# Altium PCB iMX6 Rex_V1I1_PCB.PcbDoc (part 1 of 8) (continued)
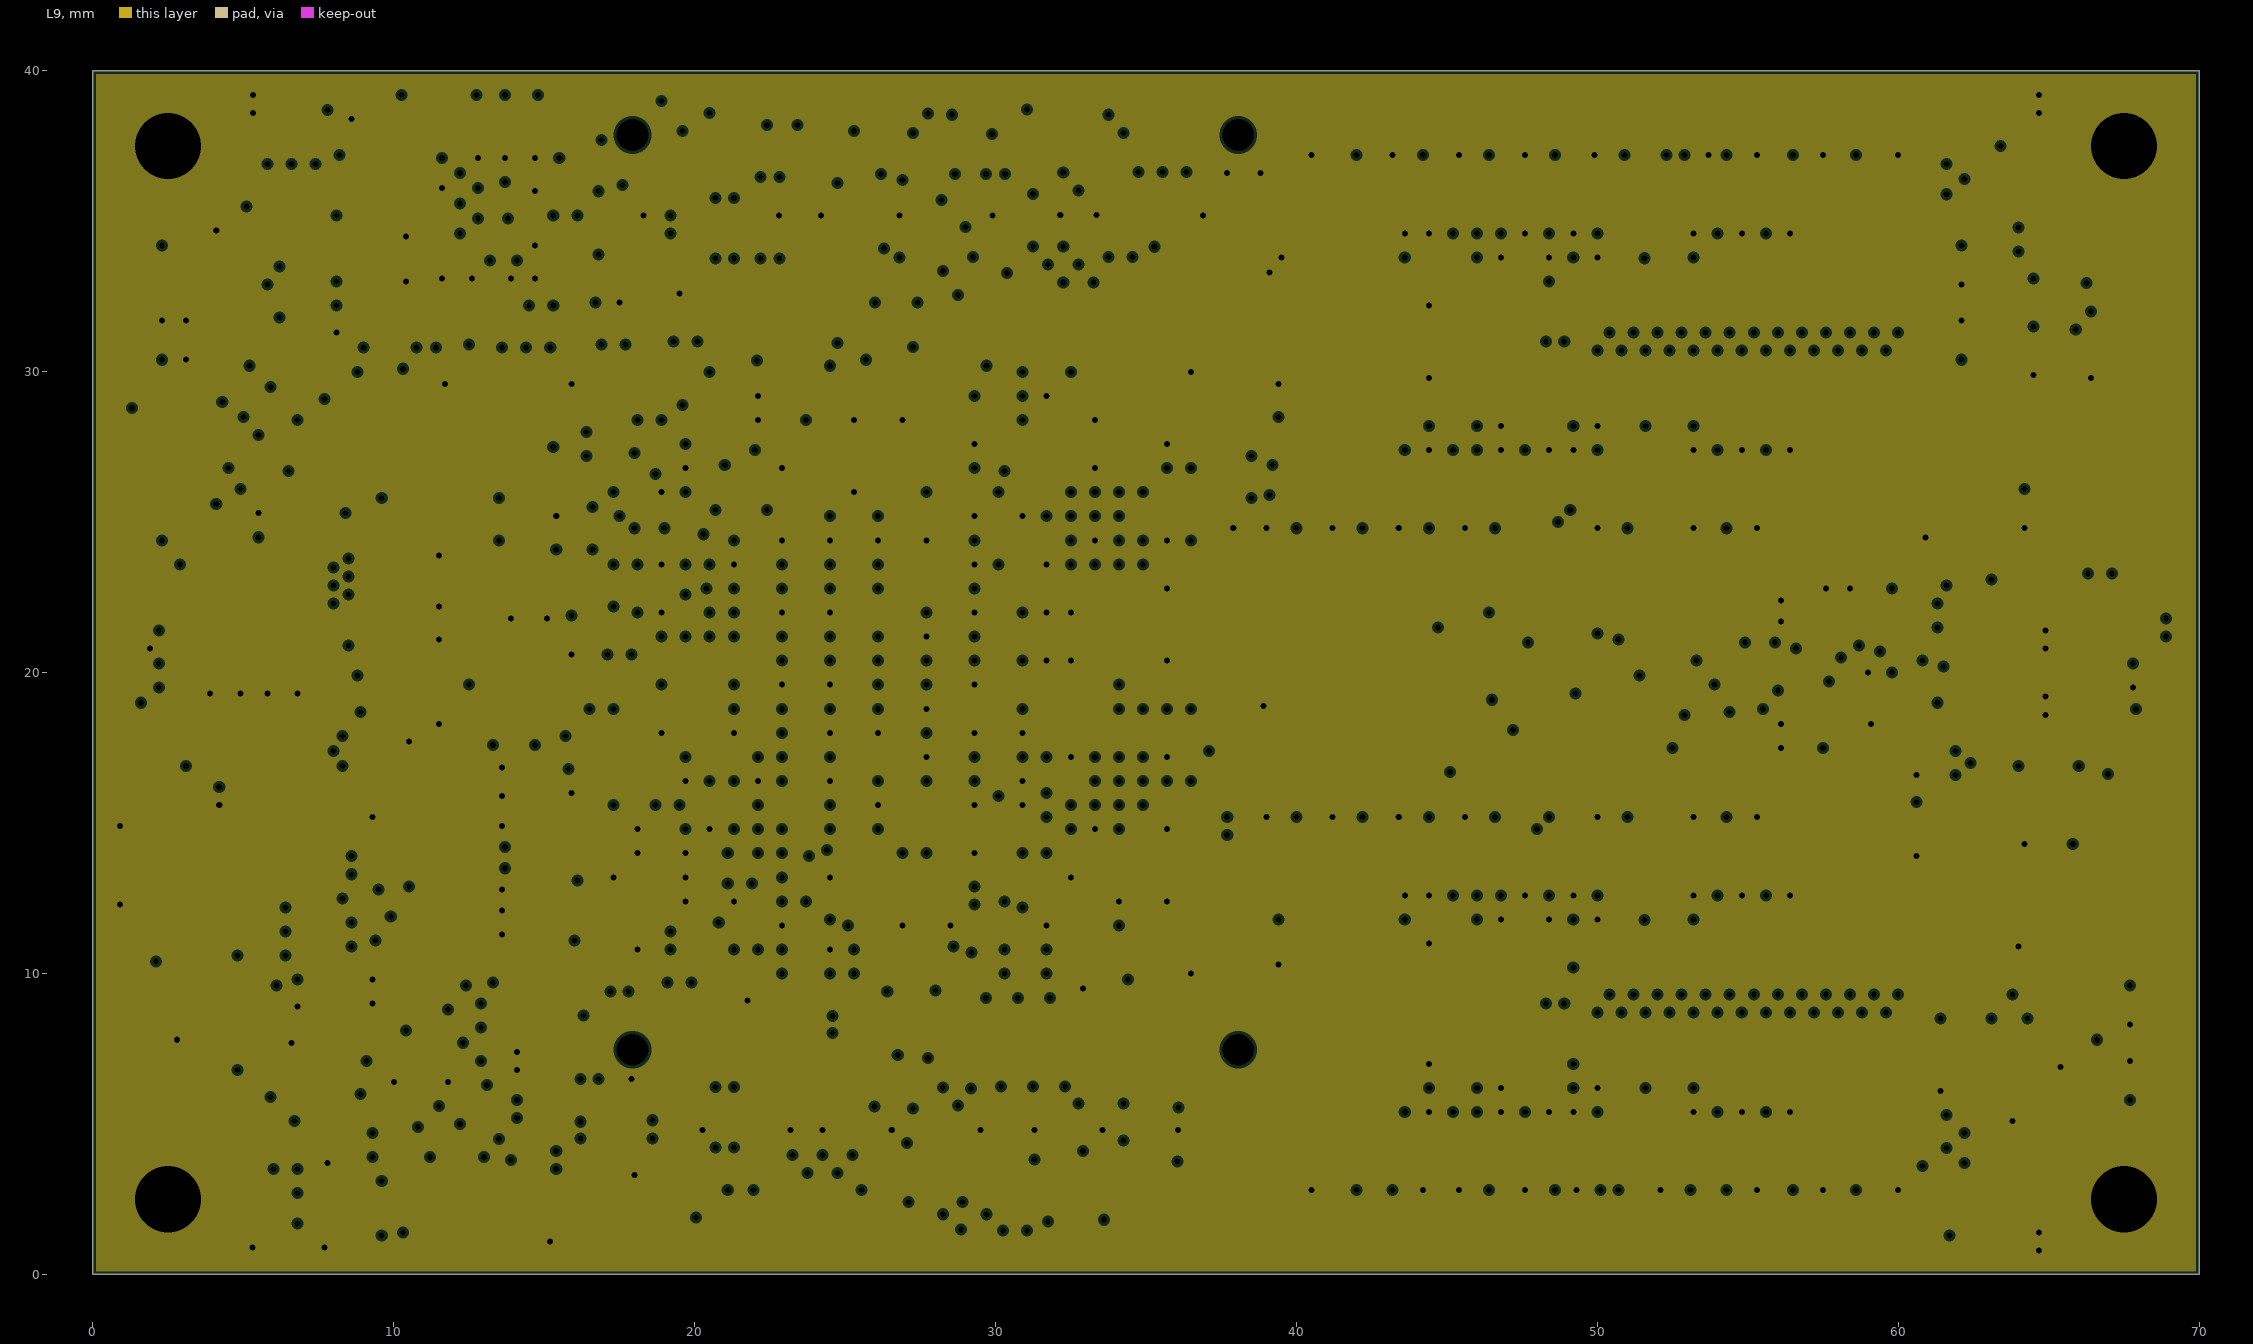
[diagram p9: L9, clearances drawn from the general rule]
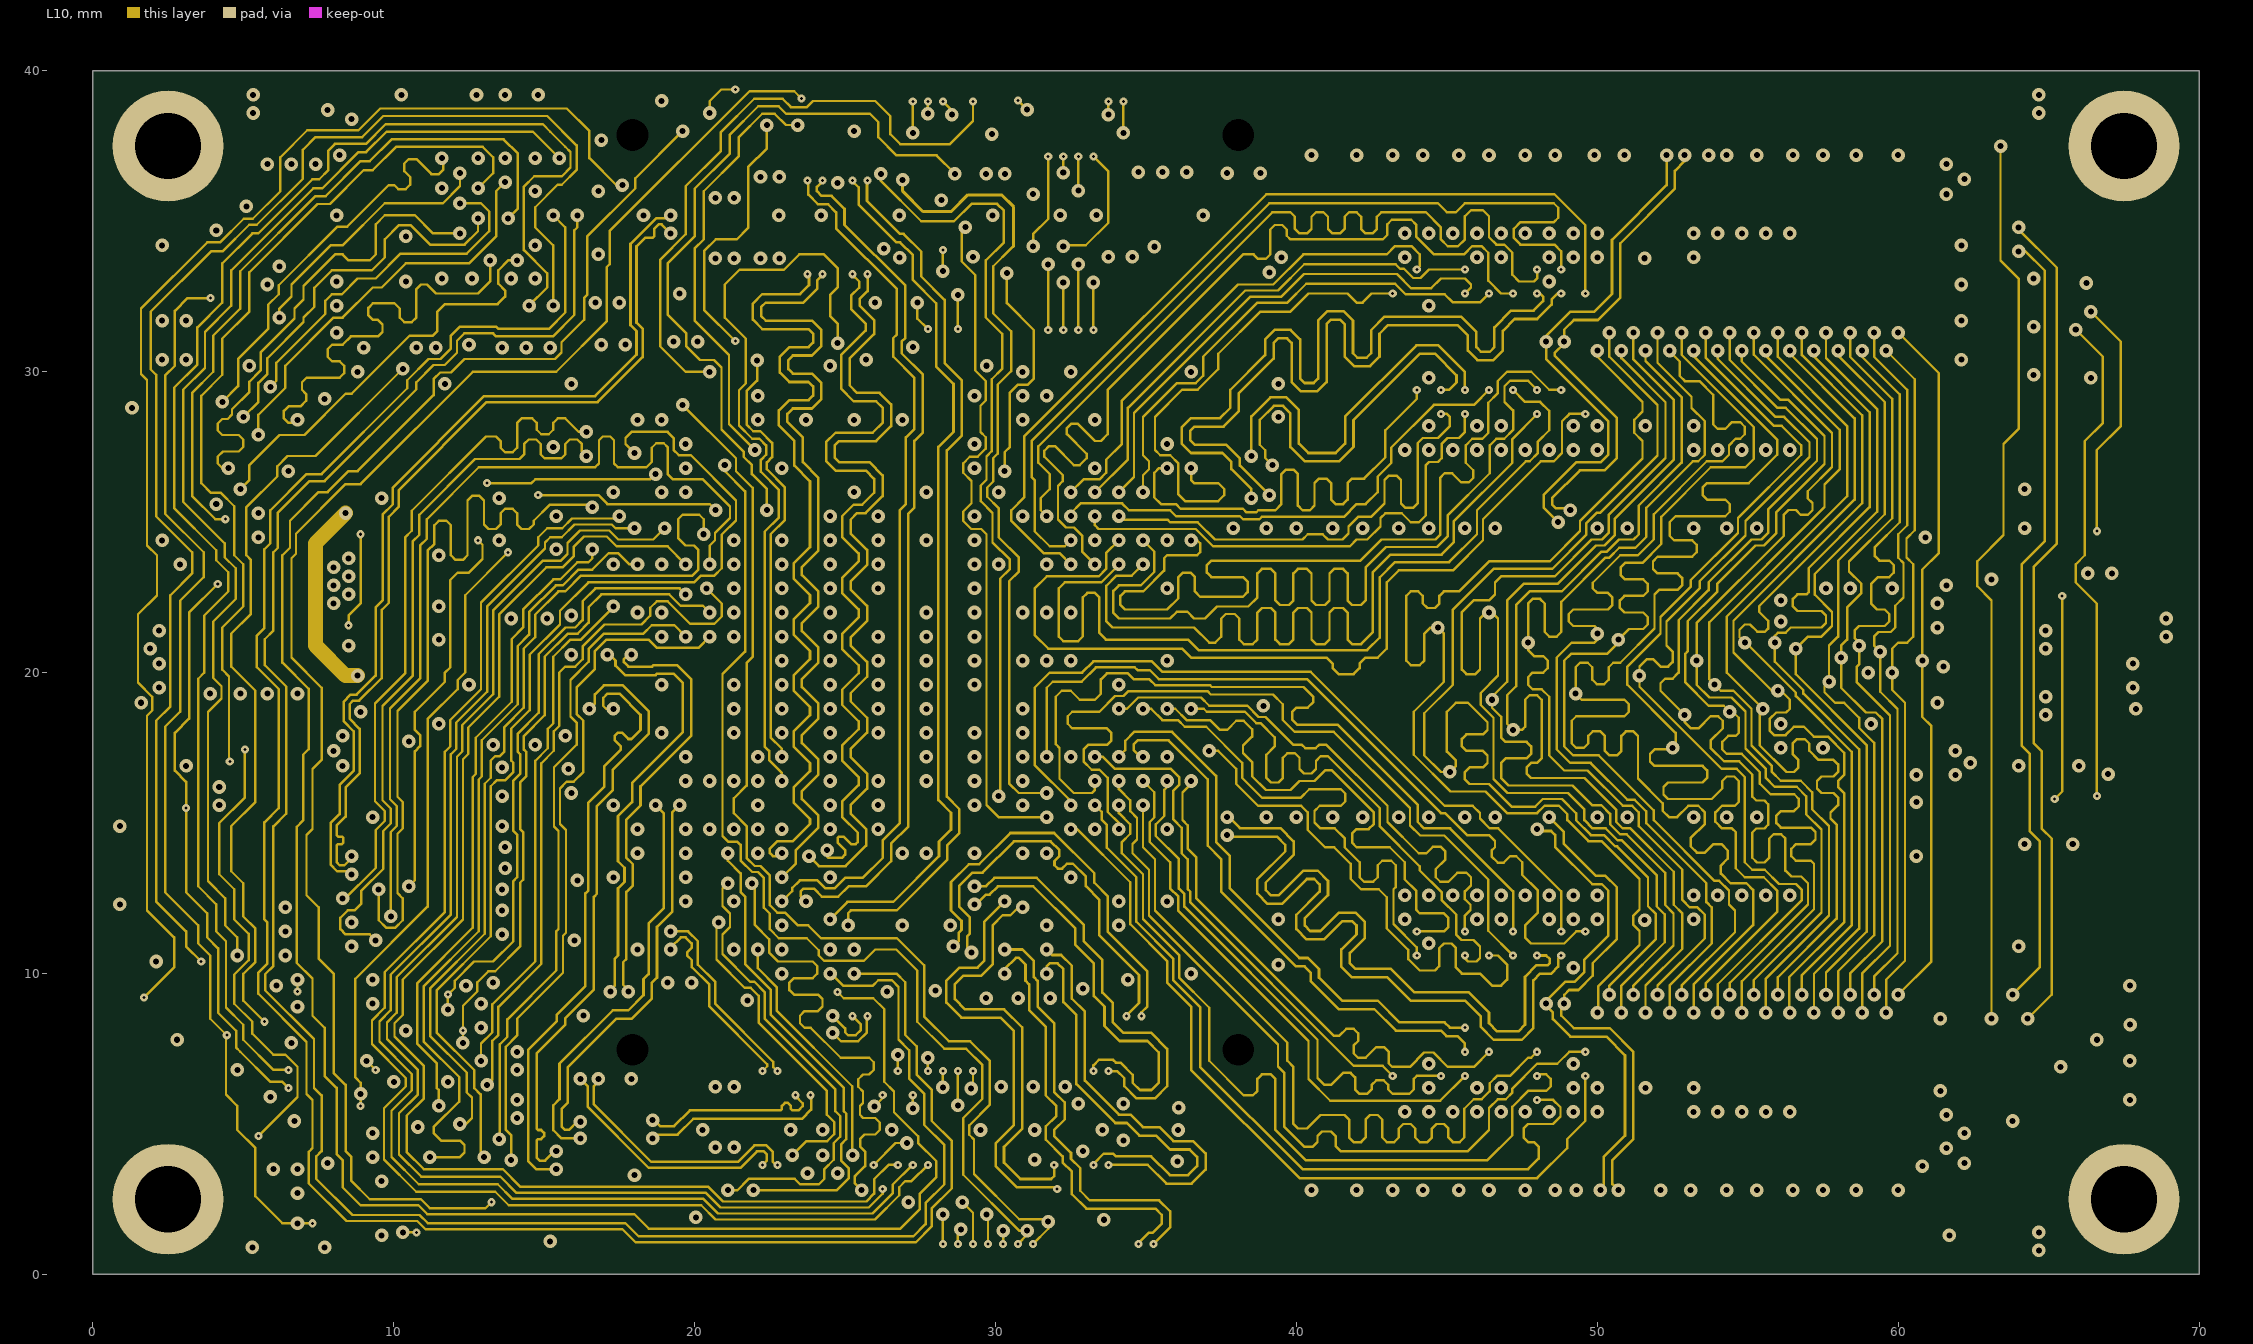
[diagram p10: L10]
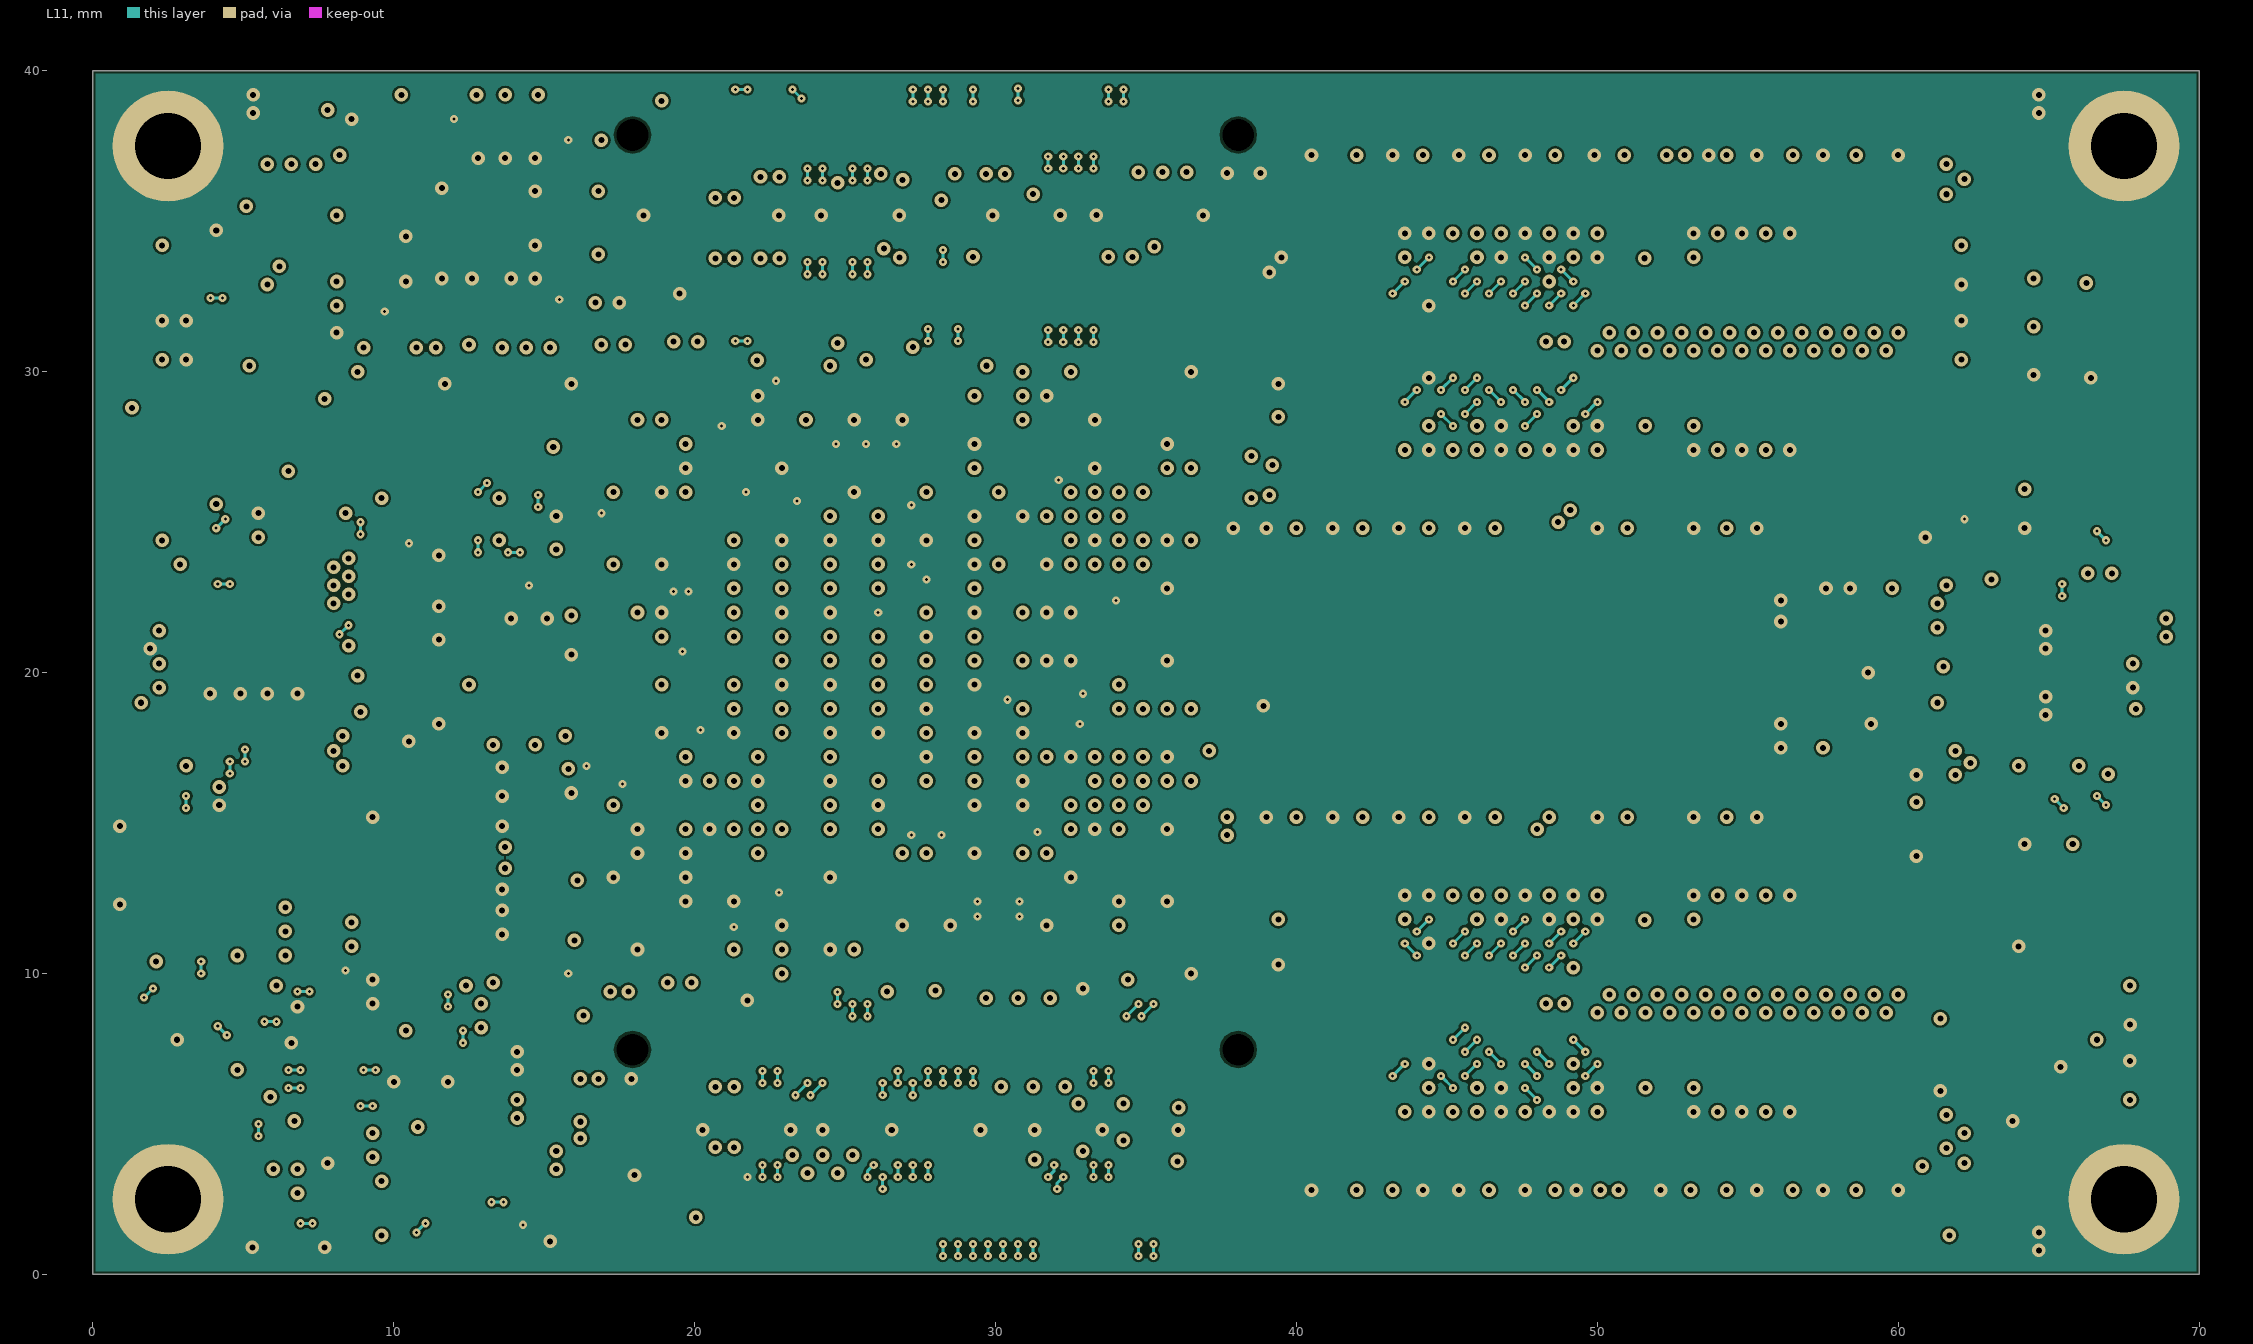
[diagram p11: L11]

## Layer stack, top to bottom
Top Solder: solder mask 0.0102, Solder Resist, Dk 3.5
L1: signal copper 0.038
Dielectric1: core 0.07, FR-4, Dk 4.8
L2: signal copper 0.038
Dielectric2: prepreg 0.092, FR-4, Dk 4.8
L3: signal copper 0.038
Dielectric3: core 0.2, FR-4, Dk 4.8
L4: plane copper 0.015
Dielectric10: prepreg 0.102, FR-4, Dk 4.8
L5 (PWR): signal copper 0.015
Dielectric9: core 0.1, FR-4, Dk 4.8
L6 (PWR): signal copper 0.015
Dielectric4: prepreg 0.118, FR-4, Dk 4.8
L7 (PWR): signal copper 0.015
Dielectric5: core 0.1, FR-4, Dk 4.8
L8 (PWR): signal copper 0.015
Dielectric8: prepreg 0.102, FR-4, Dk 4.8
L9: plane copper 0.015
Dielectric11: core 0.2, FR-4, Dk 4.8
L10: signal copper 0.038
Dielectric6: prepreg 0.093, FR-4, Dk 4.8
L11: signal copper 0.038
Dielectric7: core 0.071, FR-4, Dk 4.8
L12: signal copper 0.038
Bottom Solder: solder mask 0.0102, Solder Resist, Dk 3.5

## Board outline
0,0 0,40 70,40 70,0 0,0

## Design rules (kind name [scope] priority, off if disabled: settings)
Clearance "Poly GND to Via" [(IsRegion AND (OnLayer('L2') OR OnLayer('L11'))) vs IsVia AND (HoleSize  <> 0.1)] p1: gap=0.075 ignorepadtopadclearanceinfootprint=FALSE except(0: Arc-Hole Track-Hole SMDPad-Hole THPad-Hole Via-Hole Fill-Hole Poly-Hole Region-Hole Text-Hole)
Clearance "Poly L2 & L11 to All" [(IsRegion AND (OnLayer('L2') OR OnLayer('L11')))] p2: gap=0.085 ignorepadtopadclearanceinfootprint=FALSE except(0: Arc-Hole Track-Hole SMDPad-Hole THPad-Hole Via-Hole Fill-Hole Poly-Hole Region-Hole Text-Hole)
Clearance "Poly PWR to Via" [IsRegion AND (OnLayer('L5 (PWR)') OR OnLayer('L6 (PWR)') OR OnLayer('L7 (PWR)') OR OnLayer('L8 (PWR)') ) vs IsVia] p3: gap=0.075 ignorepadtopadclearanceinfootprint=FALSE except(0: Arc-Hole Track-Hole SMDPad-Hole THPad-Hole Via-Hole Fill-Hole Poly-Hole Region-Hole Text-Hole)
Clearance "Poly to Poly" [IsRegion AND (OnLayer('L5 (PWR)') OR OnLayer('L6 (PWR)') OR OnLayer('L7 (PWR)') OR OnLayer('L8 (PWR)') ) vs IsRegion] p4: gap=0.2 ignorepadtopadclearanceinfootprint=FALSE except(0: Arc-Hole Track-Hole SMDPad-Hole THPad-Hole Via-Hole Fill-Hole Poly-Hole Region-Hole Text-Hole)
Clearance "Clearance Plated Hole" [(InPadClass('NPTH'))] p5: gap=0.2 ignorepadtopadclearanceinfootprint=FALSE except(0: Arc-Hole Track-Hole SMDPad-Hole THPad-Hole Via-Hole Fill-Hole Poly-Hole Region-Hole Text-Hole)
Clearance Clearence [All] p6: gap=0.1 ignorepadtopadclearanceinfootprint=FALSE except(0: Arc-Hole Track-Hole SMDPad-Hole THPad-Hole Via-Hole Fill-Hole Poly-Hole Region-Hole Text-Hole)
ComponentClearance [All] p1: gap=0.1 collisioncheckmode=3 verticalgap=0.1 showdistances=FALSE
DiffPairsRouting DiffPair_DIFF100DiffPairsRouting [InDifferentialPairClass('DIFF100')] p1: maxlimit=0.22 minlimit=0.1 mostfreqgap=0.1 toplayer_mingap=0.135 toplayer_maxgap=0.185 toplayer_prefgap=0.16 toplayer_minwidth=0.381 toplayer_maxwidth=0.381 toplayer_prefwidth=0.381 midlayer1_maxgap=0.1 midlayer1_minwidth=0.381 midlayer1_maxwidth=0.381 midlayer1_prefwidth=0.381 midlayer2_mingap=0.17 midlayer2_prefgap=0.195 midlayer2_minwidth=0.381 midlayer2_maxwidth=0.381 midlayer2_prefwidth=0.381 midlayer3_maxgap=0.1 midlayer3_minwidth=0.381 midlayer3_maxwidth=0.381 midlayer3_prefwidth=0.381 midlayer4_maxgap=0.1 midlayer4_minwidth=0.381 midlayer4_maxwidth=0.381 midlayer4_prefwidth=0.381 midlayer5_mingap=0.17 midlayer5_prefgap=0.195 midlayer5_minwidth=0.381 midlayer5_maxwidth=0.381 midlayer5_prefwidth=0.381 midlayer6_maxgap=0.1 midlayer6_minwidth=0.381 midlayer6_maxwidth=0.381 midlayer6_prefwidth=0.381 midlayer7_maxgap=0.1 midlayer7_minwidth=0.381 midlayer7_maxwidth=0.381 midlayer7_prefwidth=0.381 midlayer8_maxgap=0.1 midlayer8_minwidth=0.381 midlayer8_maxwidth=0.381 midlayer8_prefwidth=0.381 bottomlayer_mingap=0.135 bottomlayer_maxgap=0.185 bottomlayer_prefgap=0.16 bottomlayer_minwidth=0.381 bottomlayer_maxwidth=0.381 bottomlayer_prefwidth=0.381 maxuncoupledlength=8
DiffPairsRouting DiffPair_DIFF90DiffPairsRouting [InDifferentialPairClass('DIFF90')] p2: maxlimit=0.19 minlimit=0.1 mostfreqgap=0.1 toplayer_mingap=0.109 toplayer_prefgap=0.114 toplayer_minwidth=0.381 toplayer_maxwidth=0.381 toplayer_prefwidth=0.381 midlayer1_maxgap=0.1 midlayer1_minwidth=0.381 midlayer1_maxwidth=0.381 midlayer1_prefwidth=0.381 midlayer2_mingap=0.11 midlayer2_maxgap=0.12 midlayer2_prefgap=0.115 midlayer2_minwidth=0.381 midlayer2_maxwidth=0.381 midlayer2_prefwidth=0.381 midlayer3_maxgap=0.1 midlayer3_minwidth=0.381 midlayer3_maxwidth=0.381 midlayer3_prefwidth=0.381 midlayer4_maxgap=0.1 midlayer4_minwidth=0.381 midlayer4_maxwidth=0.381 midlayer4_prefwidth=0.381 midlayer5_mingap=0.11 midlayer5_maxgap=0.12 midlayer5_prefgap=0.115 midlayer5_minwidth=0.381 midlayer5_maxwidth=0.381 midlayer5_prefwidth=0.381 midlayer6_maxgap=0.1 midlayer6_minwidth=0.381 midlayer6_maxwidth=0.381 midlayer6_prefwidth=0.381 midlayer7_maxgap=0.1 midlayer7_minwidth=0.381 midlayer7_maxwidth=0.381 midlayer7_prefwidth=0.381 midlayer8_maxgap=0.1 midlayer8_minwidth=0.381 midlayer8_maxwidth=0.381 midlayer8_prefwidth=0.381 bottomlayer_mingap=0.109 bottomlayer_maxgap=0.119 bottomlayer_prefgap=0.114 bottomlayer_minwidth=0.381 bottomlayer_maxwidth=0.381 bottomlayer_prefwidth=0.381 maxuncoupledlength=8
DiffPairsRouting [All] p3: maxlimit=0.1 minlimit=0.1 mostfreqgap=0.1 toplayer_minwidth=0.381 toplayer_maxwidth=0.381 toplayer_prefwidth=0.381 midlayer1_minwidth=0.381 midlayer1_maxwidth=0.381 midlayer1_prefwidth=0.381 midlayer2_minwidth=0.381 midlayer2_maxwidth=0.381 midlayer2_prefwidth=0.381 midlayer3_minwidth=0.381 midlayer3_maxwidth=0.381 midlayer3_prefwidth=0.381 midlayer4_minwidth=0.381 midlayer4_maxwidth=0.381 midlayer4_prefwidth=0.381 midlayer5_minwidth=0.381 midlayer5_maxwidth=0.381 midlayer5_prefwidth=0.381 midlayer6_minwidth=0.381 midlayer6_maxwidth=0.381 midlayer6_prefwidth=0.381 midlayer7_minwidth=0.381 midlayer7_maxwidth=0.381 midlayer7_prefwidth=0.381 midlayer8_minwidth=0.381 midlayer8_maxwidth=0.381 midlayer8_prefwidth=0.381 bottomlayer_minwidth=0.381 bottomlayer_maxwidth=0.381 bottomlayer_prefwidth=0.381 maxuncoupledlength=12.7
HoleSize [All] p1: absolutevalues=TRUE maxlimit=6 minlimit=0.025 maxpercent=80.000 minpercent=20.000
HoleToHoleClearance [All] p1: gap=0.1 allowstackedmicrovias=TRUE
MatchedLengths DiffPair_DIFF100MatchedLengths [InDifferentialPairClass('DIFF100')] p1: tolerance=0.127 checknetsindiffpair=TRUE checkdiffpairvsdiffpair=FALSE checkxsignals=FALSE checkothers=FALSE
MatchedLengths DiffPair_DIFF90MatchedLengths [InDifferentialPairClass('DIFF90')] p2: tolerance=0.127 checknetsindiffpair=TRUE checkdiffpairvsdiffpair=FALSE checkxsignals=FALSE checkothers=FALSE
MinimumSolderMaskSliver [All] p1: minsoldermaskwidth=0.1
PlaneClearance [All] p1: clearance=0.1
PlaneConnect [All] p1: planeconnectstyle=Direct reliefexpansion=0.508 reliefentries=4 reliefconductorwidth=0.254 reliefairgap=0.1
PolygonConnect [All] p1: connectstyle=Direct reliefconductorwidth=0.254 reliefentries=4 polygonreliefangle="90 Angle" airgapwidth=0.1
RoutingVias [All] p1: holewidth=0.2 width=0.45 viastyle="Through Hole" minholewidth=0.1 minwidth=0 maxholewidth=0.6 maxwidth=0.8
SilkToSilkClearance [All] p1: silktosilkclearance=0.1
SilkToSolderMaskClearance SilkscreenOverComponentPads [IsPad] p1: minsilkscreentomaskgap=0.1 clearancetoexposedcopper=TRUE
SolderMaskExpansion [All] p1: expansion=0.102 istentingtop=FALSE
Width DiffPair_DIFF100Width [InDifferentialPairClass('DIFF100')] p1: maxlimit=0.1 minlimit=0.085 preferedwidth=0.1 toplayer_minwidth=0.09 toplayer_maxwidth=0.09 toplayer_prefwidth=0.09 midlayer1_minwidth=0.1 midlayer2_maxwidth=0.085 midlayer2_prefwidth=0.085 midlayer3_minwidth=0.1 midlayer4_minwidth=0.1 midlayer5_maxwidth=0.085 midlayer5_prefwidth=0.085 midlayer6_minwidth=0.1 midlayer7_minwidth=0.1 midlayer8_minwidth=0.1 bottomlayer_minwidth=0.09 bottomlayer_maxwidth=0.09 bottomlayer_prefwidth=0.09 minimp=50.000000 maximp=50.000000 favimp=50.000000
Width DiffPair_DIFF90Width [InDifferentialPairClass('DIFF90')] p2: maxlimit=0.101 minlimit=0.085 preferedwidth=0.1 toplayer_minwidth=0.101 toplayer_prefwidth=0.101 midlayer1_minwidth=0.1 midlayer1_maxwidth=0.1 midlayer2_maxwidth=0.085 midlayer2_prefwidth=0.085 midlayer3_minwidth=0.1 midlayer3_maxwidth=0.1 midlayer4_minwidth=0.1 midlayer4_maxwidth=0.1 midlayer5_maxwidth=0.085 midlayer5_prefwidth=0.085 midlayer6_minwidth=0.1 midlayer6_maxwidth=0.1 midlayer7_minwidth=0.101 midlayer7_prefwidth=0.101 midlayer8_minwidth=0.101 midlayer8_prefwidth=0.101 bottomlayer_minwidth=0.101 bottomlayer_prefwidth=0.101 minimp=50.000000 maximp=50.000000 favimp=50.000000
Width "Width Ground" [InNet('GND')] p3: maxlimit=4 minlimit=0.2 preferedwidth=0.3
Width "Width Power" [InNet('+VIN') OR InNet('+1V2_ETH') OR InNet('+1V5_DDR') OR InNet('+1V375') OR InNet('+2V5') OR InNet('+3V3')] p4: maxlimit=4 minlimit=0.2 preferedwidth=0.3
Width [All] p5: maxlimit=4 minlimit=0.08 preferedwidth=0.1
21 further rules are at their usual default settings.

## Classes and differential pairs
net class RGMII_RXD: RGMII_R_RXCLK RGMII_RXCLK RGMII_RXD0 RGMII_RXD1 RGMII_RXD2 RGMII_RXD3 RGMII_RXDV
net class RGMII_MISC: RGMII_INT RGMII_INT_R RGMII_MDC RGMII_MDIO RGMII_R_MDC RGMII_R_MDIO
differential pair class DIFF100: CLK1 CLK1_C DRAM_CLK0 DRAM_CLK1 DRAM_DQS0 DRAM_DQS1 DRAM_DQS2 DRAM_DQS3 DRAM_DQS4 DRAM_DQS5 DRAM_DQS6 DRAM_DQS7 HDMI_CLK HDMI_D0 HDMI_D1 HDMI_D2 LVDS0_CLK LVDS0_TX0 LVDS0_TX1 LVDS0_TX2 LVDS0_TX3 SATA_C_RX SATA_C_TX SATA_RX SATA_TX TRD0 TRD1 TRD2 TRD3
differential pair class DIFF90: PCIE_C_TX PCIE_RX PCIE_TX USB0 USB1
net class SATA: SATA_C_RX_N SATA_C_RX_P SATA_C_TX_N SATA_C_TX_P SATA_REXT SATA_RX_N SATA_RX_P SATA_TX_N SATA_TX_P
net class DRAM_D[63..0]: DRAM_D0 DRAM_D1 DRAM_D2 DRAM_D3 DRAM_D4 DRAM_D5 DRAM_D6 DRAM_D7 DRAM_D8 DRAM_D9 DRAM_D10 DRAM_D11 DRAM_D12 DRAM_D13 DRAM_D14 DRAM_D15 DRAM_D16 DRAM_D17 DRAM_D18 DRAM_D19 DRAM_D20 DRAM_D21 DRAM_D22 DRAM_D23 DRAM_D24 DRAM_D25 DRAM_D26 DRAM_D27 DRAM_D28 DRAM_D29 DRAM_D30 DRAM_D31 DRAM_D32 DRAM_D33 DRAM_D34 DRAM_D35 DRAM_D36 DRAM_D37 DRAM_D38 DRAM_D39 DRAM_D40 DRAM_D41 DRAM_D42 DRAM_D43 DRAM_D44 DRAM_D45 DRAM_D46 DRAM_D47 DRAM_D48 DRAM_D49 DRAM_D50 DRAM_D51 DRAM_D52 DRAM_D53 DRAM_D54 DRAM_D55 DRAM_D56 DRAM_D57 DRAM_D58 DRAM_D59 DRAM_D60 DRAM_D61 DRAM_D62 DRAM_D63
net class USB1: USB1_N USB1_P USB1_PWR_EN
net class USB0: USB0_ID USB0_N USB0_P USB0_PWR_EN USB_OC
net class UART2: UART2_CTS UART2_RTS UART2_RXD UART2_TXD
net class UART1: UART1_CTS UART1_DCD UART1_DSR UART1_DTR UART1_RI UART1_RTS UART1_RXD UART1_TXD
net class SPI2: CSPI2_CLK CSPI2_CLK_R CSPI2_CS0 CSPI2_MISO CSPI2_MOSI
net class SPI3: CSPI3_CLK CSPI3_CLK_R CSPI3_CS2 CSPI3_MISO CSPI3_MOSI
net class MMC_CARD: SD2_ACT SD2_CD SD2_CLK SD2_CLK_R SD2_CMD SD2_CMD_R SD2_DATA0 SD2_DATA1 SD2_DATA2 SD2_DATA3 SD2_DATA4 SD2_DATA5 SD2_DATA6 SD2_DATA7 SD2_WP
net class RGMII_TXD: RGMII_R_TXCLK RGMII_TXCLK RGMII_TXD0 RGMII_TXD1 RGMII_TXD2 RGMII_TXD3 RGMII_TXEN
net class PCIE: CLK1_C_N CLK1_C_P CLK1_N CLK1_P PCIE_C_TX_N PCIE_C_TX_P PCIE_RX_N PCIE_RX_P PCIE_TX_N PCIE_TX_P PCIE_WAKE
net class SD_CARD: SD3_CD SD3_CLK SD3_CLK_R SD3_CMD SD3_CMD_R SD3_DATA0 SD3_DATA1 SD3_DATA2 SD3_DATA3 SD3_WP
net class LVDS: I2C3_SCL I2C3_SDA LVDS0_CABC LVDS0_CLK_N LVDS0_CLK_P LVDS0_PWM LVDS0_TX0_N LVDS0_TX0_P LVDS0_TX1_N LVDS0_TX1_P LVDS0_TX2_N LVDS0_TX2_P LVDS0_TX3_N LVDS0_TX3_P
net class JTAG: JTAG_MOD JTAG_NTRST JTAG_TCK JTAG_TCK_R JTAG_TDI JTAG_TDI_R JTAG_TDO JTAG_TDO_R JTAG_TMS
net class I2C: I2C4_SCL I2C4_SDA
net class HDMI: HDMI_CEC HDMI_CEC_IN HDMI_CLK_N HDMI_CLK_P HDMI_D0_N HDMI_D0_P HDMI_D1_N HDMI_D1_P HDMI_D2_N HDMI_D2_P HDMI_DDC HDMI_HPD I2C2_SCL I2C2_SDA
net class ENET: ENET_LED_LINK ENET_LED_RX ENET_REF_CLK ENET_REF_CLK_R ETH_ISET LED1 LED2 TRD0_N TRD0_P TRD1_N TRD1_P TRD2_N TRD2_P TRD3_N TRD3_P
net class DRAM_A[15..0]: DRAM_A0 DRAM_A1 DRAM_A2 DRAM_A3 DRAM_A4 DRAM_A5 DRAM_A6 DRAM_A7 DRAM_A8 DRAM_A9 DRAM_A10 DRAM_A11 DRAM_A12 DRAM_A13 DRAM_A14 DRAM_A15
net class DIFF100: CLK1_C_N CLK1_C_P CLK1_N CLK1_P DRAM_CLK0_N DRAM_CLK0_P DRAM_CLK1_N DRAM_CLK1_P DRAM_DQS0_N DRAM_DQS0_P DRAM_DQS1_N DRAM_DQS1_P DRAM_DQS2_N DRAM_DQS2_P DRAM_DQS3_N DRAM_DQS3_P DRAM_DQS4_N DRAM_DQS4_P DRAM_DQS5_N DRAM_DQS5_P DRAM_DQS6_N DRAM_DQS6_P DRAM_DQS7_N DRAM_DQS7_P HDMI_CLK_N HDMI_CLK_P HDMI_D0_N HDMI_D0_P HDMI_D1_N HDMI_D1_P HDMI_D2_N HDMI_D2_P LVDS0_CLK_N LVDS0_CLK_P LVDS0_TX0_N LVDS0_TX0_P LVDS0_TX1_N LVDS0_TX1_P LVDS0_TX2_N LVDS0_TX2_P LVDS0_TX3_N LVDS0_TX3_P SATA_C_RX_N SATA_C_RX_P SATA_C_TX_N SATA_C_TX_P SATA_RX_N SATA_RX_P SATA_TX_N SATA_TX_P TRD0_N TRD0_P TRD1_N TRD1_P TRD2_N TRD2_P TRD3_N TRD3_P
net class DIFF90: PCIE_C_TX_N PCIE_C_TX_P PCIE_RX_N PCIE_RX_P PCIE_TX_N PCIE_TX_P USB0_N USB0_P USB1_N USB1_P
net class Audio: AUD3_CLK AUD3_CLK_R AUD3_RXD AUD3_TXC AUD3_TXC_R AUD3_TXD AUD3_TXFS I2C1_SCL I2C1_SDA